# KiCad board alqaztraz.kicad_pcb
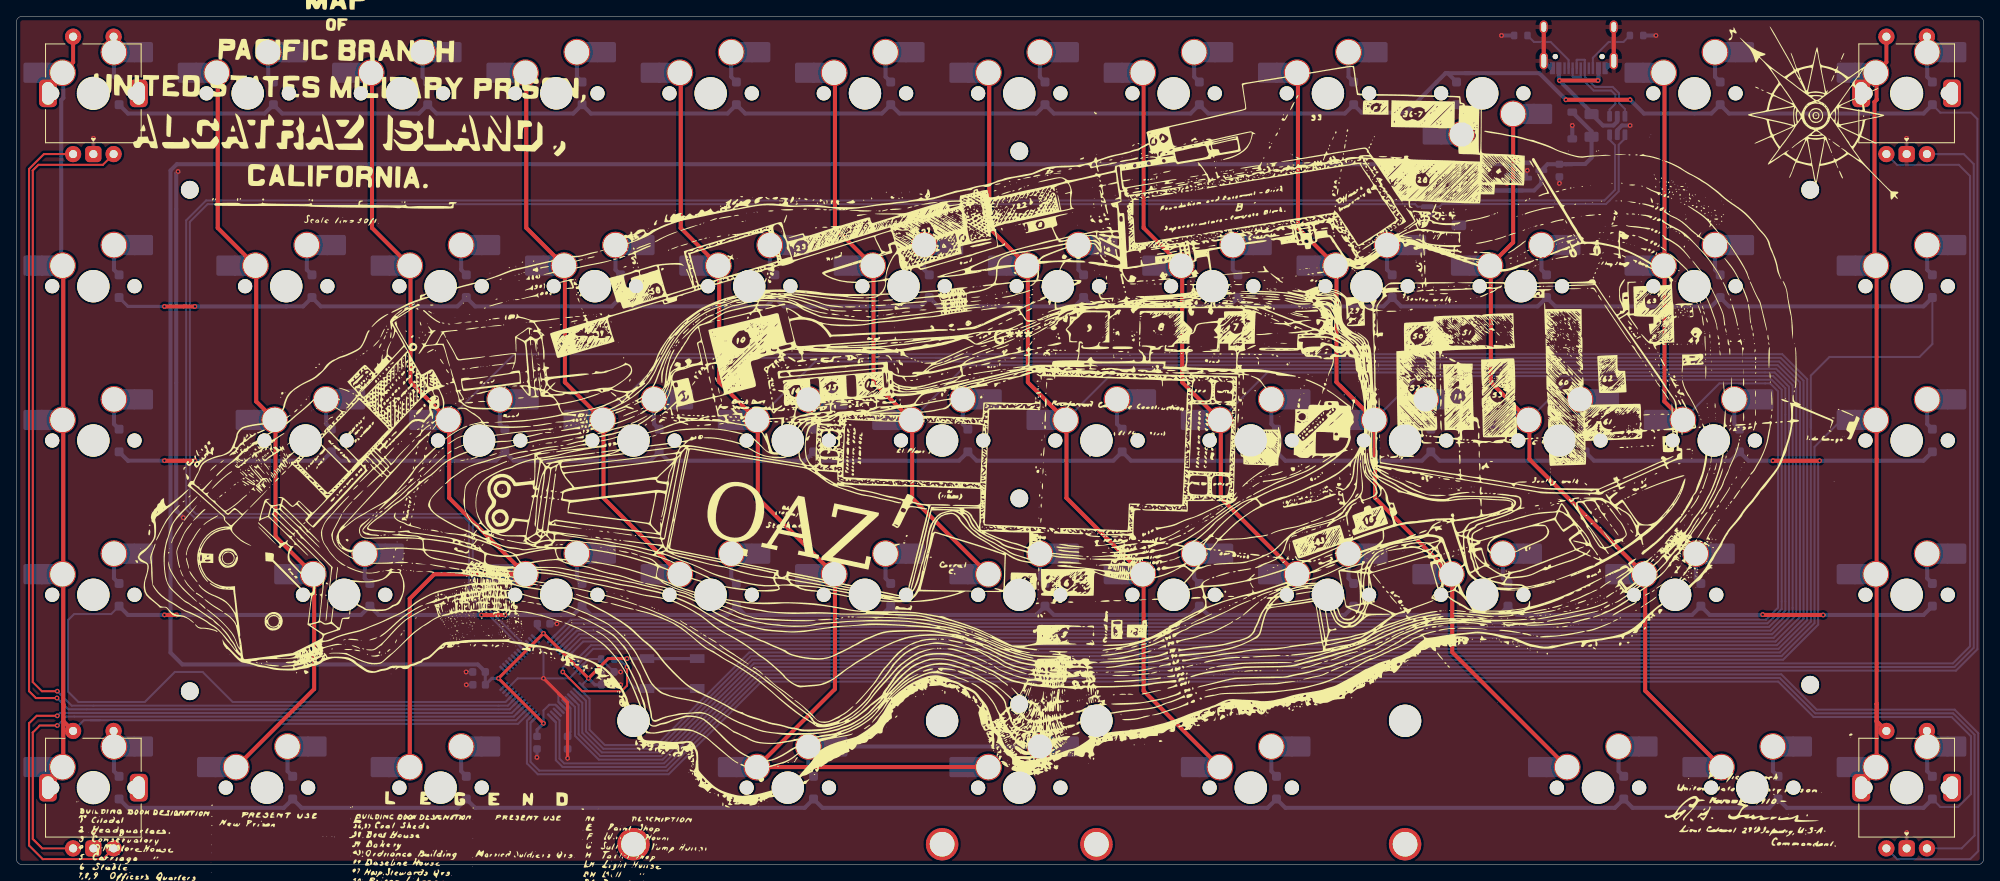
[diagram p0: board, top side]
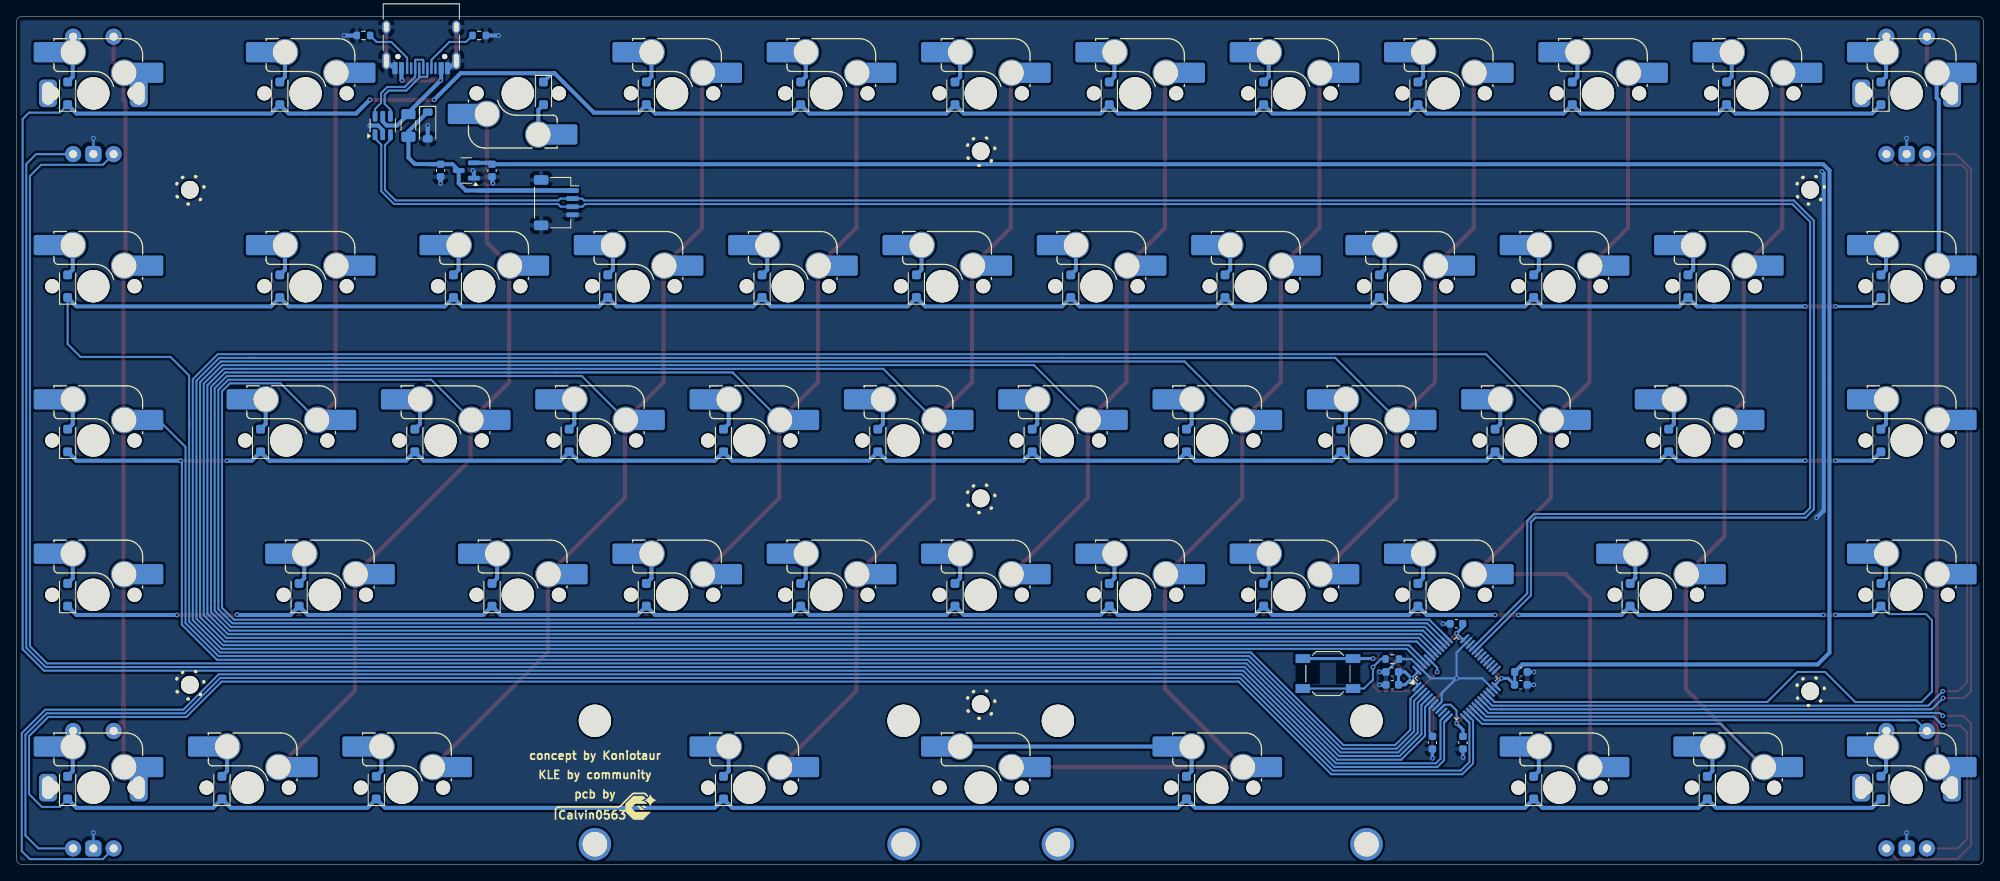
[diagram p1: board, bottom side, seen from below]

Outline 242.89 x 104.78 mm; copper layers: Top, Bottom. Coordinates in mm from the lower left corner of the outline.
Outline path: 0,103.98 arc(0.23,104.54) 0.79,104.78 242.09,104.78 arc(242.66,104.54) 242.89,103.98 242.89,0.79 arc(242.66,0.23) 242.09,0 0.79,0 arc(0.23,0.23) 0,0.79 0,103.98
Stack: Top 0.035mm / dielectric 1.51mm FR4 er 4.5 / Bottom 0.035mm

## Placement (name value [footprint] x y rotation side)
C1  100nF  [C_0603_1608Metric]  68.07 15.08 270 bottom
C2  1uF  [C_0603_1608Metric]  190.5 85.73 90 bottom
C3  1uF  [C_0603_1608Metric]  184.15 85.73 90 bottom
C11  100nF  [C_0603_1608Metric]  65.11 29.76 0 bottom
C12  100nF  [C_0603_1608Metric]  73.03 22.23 0 bottom
C13  100nF  [C_0603_1608Metric]  73.03 23.81 0 bottom
C14  100nF  [C_0603_1608Metric]  64.29 15.08 270 bottom
C15  100nF  [C_0603_1608Metric]  57.15 22.23 180 bottom
C16  10uF  [C_0603_1608Metric]  57.13 23.81 180 bottom
D1  D_Small  [D_SOD-123F]  12.7 95.25 90 bottom
D2  D_Small  [D_SOD-123F]  31.75 95.25 90 bottom
D3  D_Small  [D_SOD-123F]  50.8 95.25 90 bottom
D4  D_Small  [D_SOD-123F]  69.85 95.25 90 bottom
D5  D_Small  [D_SOD-123F]  88.9 95.25 90 bottom
D6  D_Small  [D_SOD-123F]  107.95 95.25 90 bottom
D7  D_Small  [D_SOD-123F]  127 95.25 90 bottom
D8  D_Small  [D_SOD-123F]  146.05 95.25 90 bottom
D9  D_Small  [D_SOD-123F]  165.1 95.25 90 bottom
D10  D_Small  [D_SOD-123F]  177.8 95.25 270 bottom
D11  D_Small  [D_SOD-123F]  210.34 95.25 90 bottom
D12  D_Small  [D_SOD-123F]  236.54 95.25 90 bottom
D13  D_Small  [D_SOD-123F]  12.7 71.44 90 bottom
D14  D_Small  [D_SOD-123F]  36.51 71.44 90 bottom
D15  D_Small  [D_SOD-123F]  55.56 71.44 90 bottom
D16  D_Small  [D_SOD-123F]  74.61 71.44 90 bottom
D17  D_Small  [D_SOD-123F]  93.66 71.44 90 bottom
D18  D_Small  [D_SOD-123F]  112.71 71.44 90 bottom
D19  D_Small  [D_SOD-123F]  131.76 71.44 90 bottom
D20  D_Small  [D_SOD-123F]  150.81 71.44 90 bottom
D21  D_Small  [D_SOD-123F]  169.86 71.44 90 bottom
D22  D_Small  [D_SOD-123F]  188.91 71.44 90 bottom
D23  D_Small  [D_SOD-123F]  210.34 71.44 90 bottom
D24  D_Small  [D_SOD-123F]  236.54 71.44 90 bottom
D25  D_Small  [D_SOD-123F]  12.7 52.39 90 bottom
D26  D_Small  [D_SOD-123F]  38.89 52.39 90 bottom
D27  D_Small  [D_SOD-123F]  60.33 52.39 90 bottom
D28  D_Small  [D_SOD-123F]  79.38 52.39 90 bottom
D29  D_Small  [D_SOD-123F]  98.43 52.39 90 bottom
D30  D_Small  [D_SOD-123F]  117.47 52.39 90 bottom
D31  D_Small  [D_SOD-123F]  136.53 52.39 90 bottom
D32  D_Small  [D_SOD-123F]  155.57 52.39 90 bottom
D33  D_Small  [D_SOD-123F]  174.62 52.39 90 bottom
D34  D_Small  [D_SOD-123F]  193.68 52.39 90 bottom
D35  D_Small  [D_SOD-123F]  212.72 52.39 90 bottom
D36  D_Small  [D_SOD-123F]  236.54 52.39 90 bottom
D37  D_Small  [D_SOD-123F]  12.7 33.34 90 bottom
D38  D_Small  [D_SOD-123F]  43.66 33.34 90 bottom
D39  D_Small  [D_SOD-123F]  69.85 33.34 90 bottom
D40  D_Small  [D_SOD-123F]  88.9 33.34 90 bottom
D41  D_Small  [D_SOD-123F]  107.95 33.34 90 bottom
D42  D_Small  [D_SOD-123F]  127 33.34 90 bottom
D43  D_Small  [D_SOD-123F]  146.05 33.34 90 bottom
D44  D_Small  [D_SOD-123F]  165.1 33.34 90 bottom
D45  D_Small  [D_SOD-123F]  184.15 33.34 90 bottom
D46  D_Small  [D_SOD-123F]  207.96 33.34 90 bottom
D47  D_Small  [D_SOD-123F]  236.54 33.34 90 bottom
D48  D_Small  [D_SOD-123F]  12.7 9.53 90 bottom
D49  D_Small  [D_SOD-123F]  34.13 9.53 90 bottom
D50  D_Small  [D_SOD-123F]  55.56 9.53 90 bottom
D51  D_Small  [D_SOD-123F]  98.43 9.53 90 bottom
D52  D_Small  [D_SOD-123F]  155.57 9.53 90 bottom
D53  D_Small  [D_SOD-123F]  198.44 9.53 90 bottom
D54  D_Small  [D_SOD-123F]  217.49 9.53 90 bottom
D55  D_Small  [D_SOD-123F]  236.54 9.53 90 bottom
D_PWR1  SMF9.0CA  [D_SOD-123]  192.09 91.28 270 bottom
F1  500mA  [Fuse_1206_3216Metric]  194.47 91.28 270 bottom
G***  -  [LOGO]  123.03 65.09 0 top
G***#2  -  [LOGO]  165.98 7.14 180 bottom
H1  MountingHole  [MountingHole_2.2mm_M2]  21.43 83.34 0 top
H2  MountingHole  [MountingHole_2.2mm_M2]  221.46 83.34 0 top
H3  MountingHole  [MountingHole_2.2mm_M2]  21.43 21.43 0 top
H4  MountingHole  [MountingHole_2.2mm_M2]  221.46 22.23 0 top
H5  MountingHole  [MountingHole_2.2mm_M2]  123.82 45.24 0 top
H6  MountingHole  [MountingHole_2.2mm_M2]  123.82 88.11 0 top
H7  MountingHole  [MountingHole_2.2mm_M2]  123.82 19.84 0 top
J1  USB_C_Receptacle_USB2.0  [USB_C_Receptacle_HRO_TYPE-C-31-M-12]  192.88 102.39 0 bottom
J2  JST SH  [JST_SH_SM04B-SRSS-TB_1x04-1MP_P1.00mm_Horizontal]  176.21 81.76 270 bottom
MX1  MX_SW_HS  [SW_MX_HS_CPG151101S11_1u]  9.52 95.25 180 bottom
MX2  MX_SW_HS  [SW_MX_HS_CPG151101S11_1u]  28.58 95.25 180 bottom
MX3  MX_SW_HS  [SW_MX_HS_CPG151101S11_1u]  47.62 95.25 180 bottom
MX4  MX_SW_HS  [SW_MX_HS_CPG151101S11_1u]  66.67 95.25 180 bottom
MX5  MX_SW_HS  [SW_MX_HS_CPG151101S11_1u]  85.72 95.25 180 bottom
MX6  MX_SW_HS  [SW_MX_HS_CPG151101S11_1u]  104.78 95.25 180 bottom
MX7  MX_SW_HS  [SW_MX_HS_CPG151101S11_1u]  123.82 95.25 180 bottom
MX8  MX_SW_HS  [SW_MX_HS_CPG151101S11_1u]  142.88 95.25 180 bottom
MX9  MX_SW_HS  [SW_MX_HS_CPG151101S11_1u]  161.93 95.25 180 bottom
MX10  MX_SW_HS  [SW_MX_HS_CPG151101S11_1u]  180.97 95.25 0 bottom
MX11  MX_SW_HS  [SW_MX_HS_CPG151101S11_1.75u]  207.17 95.25 180 bottom
MX12  MX_SW_HS  [SW_MX_HS_CPG151101S11_1u]  233.36 95.25 180 bottom
MX13  MX_SW_HS  [SW_MX_HS_CPG151101S11_1u]  9.52 71.44 180 bottom
MX14  MX_SW_HS  [SW_MX_HS_CPG151101S11_1u]  33.34 71.44 180 bottom
MX15  MX_SW_HS  [SW_MX_HS_CPG151101S11_1u]  52.39 71.44 180 bottom
MX16  MX_SW_HS  [SW_MX_HS_CPG151101S11_1u]  71.44 71.44 180 bottom
MX17  MX_SW_HS  [SW_MX_HS_CPG151101S11_1u]  90.49 71.44 180 bottom
MX18  MX_SW_HS  [SW_MX_HS_CPG151101S11_1u]  109.54 71.44 180 bottom
MX19  MX_SW_HS  [SW_MX_HS_CPG151101S11_1u]  128.59 71.44 180 bottom
MX20  MX_SW_HS  [SW_MX_HS_CPG151101S11_1u]  147.64 71.44 180 bottom
MX21  MX_SW_HS  [SW_MX_HS_CPG151101S11_1u]  166.69 71.44 180 bottom
MX22  MX_SW_HS  [SW_MX_HS_CPG151101S11_1u]  185.74 71.44 180 bottom
MX23  MX_SW_HS  [SW_MX_HS_CPG151101S11_1.25u]  207.17 71.44 180 bottom
MX24  MX_SW_HS  [SW_MX_HS_CPG151101S11_1u]  233.36 71.44 180 bottom
MX25  MX_SW_HS  [SW_MX_HS_CPG151101S11_1u]  9.52 52.39 180 bottom
MX26  MX_SW_HS  [SW_MX_HS_CPG151101S11_1.25u]  35.72 52.39 180 bottom
MX27  MX_SW_HS  [SW_MX_HS_CPG151101S11_1u]  57.15 52.39 180 bottom
MX28  MX_SW_HS  [SW_MX_HS_CPG151101S11_1u]  76.2 52.39 180 bottom
MX29  MX_SW_HS  [SW_MX_HS_CPG151101S11_1u]  95.25 52.39 180 bottom
MX30  MX_SW_HS  [SW_MX_HS_CPG151101S11_1u]  114.3 52.39 180 bottom
MX31  MX_SW_HS  [SW_MX_HS_CPG151101S11_1u]  133.35 52.39 180 bottom
MX32  MX_SW_HS  [SW_MX_HS_CPG151101S11_1u]  152.4 52.39 180 bottom
MX33  MX_SW_HS  [SW_MX_HS_CPG151101S11_1u]  171.45 52.39 180 bottom
MX34  MX_SW_HS  [SW_MX_HS_CPG151101S11_1u]  190.5 52.39 180 bottom
MX35  MX_SW_HS  [SW_MX_HS_CPG151101S11_1u]  209.55 52.39 180 bottom
MX36  MX_SW_HS  [SW_MX_HS_CPG151101S11_1u]  233.36 52.39 180 bottom
MX37  MX_SW_HS  [SW_MX_HS_CPG151101S11_1u]  9.52 33.34 180 bottom
MX38  MX_SW_HS  [SW_MX_HS_CPG151101S11_1.75u]  40.48 33.34 180 bottom
MX39  MX_SW_HS  [SW_MX_HS_CPG151101S11_1u]  66.67 33.34 180 bottom
MX40  MX_SW_HS  [SW_MX_HS_CPG151101S11_1u]  85.72 33.34 180 bottom
MX41  MX_SW_HS  [SW_MX_HS_CPG151101S11_1u]  104.78 33.34 180 bottom
MX42  MX_SW_HS  [SW_MX_HS_CPG151101S11_1u]  123.82 33.34 180 bottom
MX43  MX_SW_HS  [SW_MX_HS_CPG151101S11_1u]  142.88 33.34 180 bottom
MX44  MX_SW_HS  [SW_MX_HS_CPG151101S11_1u]  161.93 33.34 180 bottom
MX45  MX_SW_HS  [SW_MX_HS_CPG151101S11_1u]  180.97 33.34 180 bottom
MX46  MX_SW_HS  [SW_MX_HS_CPG151101S11_1.5u]  204.79 33.34 180 bottom
MX47  MX_SW_HS  [SW_MX_HS_CPG151101S11_1u]  233.36 33.34 180 bottom
MX48  MX_SW_HS  [SW_MX_HS_CPG151101S11_1u]  9.52 9.53 180 bottom
MX49  MX_SW_HS  [SW_MX_HS_CPG151101S11_1.25u]  30.96 9.53 180 bottom
MX50  MX_SW_HS  [SW_MX_HS_CPG151101S11_1u]  52.39 9.53 180 bottom
MX51  MX_SW_HS  [SW_MX_HS_CPG151101S11_1u]  95.25 9.53 180 bottom
MX52  MX_SW_HS  [SW_MX_HS_CPG151101S11_1u]  152.4 9.53 180 bottom
MX53  MX_SW_HS  [SW_MX_HS_CPG151101S11_1u]  195.26 9.53 180 bottom
MX54  MX_SW_HS  [SW_MX_HS_CPG151101S11_1u]  214.31 9.53 180 bottom
MX55  MX_SW_HS  [SW_MX_HS_CPG151101S11_1u]  233.36 9.53 180 bottom
MX56  MX_SW_HS  [SW_MX_HS_CPG151101S11_1u]  123.82 9.53 180 bottom
R1  5k1  [R_0603_1608Metric]  185.74 102.39 180 bottom
R2  5k1  [R_0603_1608Metric]  200.03 102.39 0 bottom
R3  10k  [R_0603_1608Metric]  73.03 25.4 180 bottom
S1  MX_stab  [STAB_MX_P_3u]  95.25 9.53 180 top
S2  MX_stab  [STAB_MX_P_3u]  152.4 9.53 180 top
SW1  RotaryEncoder_Switch  [ROT_Alps_EC11E-Switch]  9.52 95.25 0 top
SW2  RotaryEncoder_Switch  [ROT_Alps_EC11E-Switch]  233.36 95.25 0 top
SW3  RotaryEncoder_Switch  [ROT_Alps_EC11E-Switch]  233.36 9.53 0 top
SW4  RotaryEncoder_Switch  [ROT_Alps_EC11E-Switch]  9.52 9.53 0 top
SW5  SKQGABE010  [SW_SPST_SKQG_WithoutStem]  80.96 23.61 180 bottom
U1  STM32F072C8Tx  [LQFP-48_7x7mm_P0.5mm]  65.09 23.02 135 bottom
U2  USBLC6-2SC6  [SOT-23-6]  197.64 91.28 90 bottom
U3  XC6206PxxxMR-Regulator_Linear  [SOT-23]  187.32 85.73 0 bottom

## Library data of the parts
C1 = -: LCSC: C307331; ki_fp_filters: C_*
C2 C3 = -: LCSC: C52923; ki_fp_filters: C_*
C11-C16 = -: ki_fp_filters: C_*
D1-D55 = -: Description: Diode, small symbol; Sim.Device: D; Sim.Pins: 1=K 2=A; ki_fp_filters: TO-???* *_Diode_* *SingleDiode* D_*
D_PWR1 = -: ki_fp_filters: TO-???* *_Diode_* *SingleDiode* D_*
F1 = -: LCSC: C70076; ki_fp_filters: *polyfuse* *PTC*
H1-H7 = -: Description: Mounting Hole without connection; ki_fp_filters: MountingHole*
J1 = -: Datasheet: https://www.usb.org/sites/default/files/documents/usb_type-c.zip; LCSC: C165948; ki_fp_filters: USB*C*Receptacle*
J2 = -: ki_fp_filters: Connector*:*_1x??-1MP*
MX1-MX56 = -: Description: Push button switch, normally open, two pins, 45° tilted, Kailh CPG151101S11 for Cherry MX style switches
R1 R2 = -: LCSC: C25905; ki_fp_filters: R_*
R3 = -: ki_fp_filters: R_*
S1 S2 = -: Description: Cherry MX-style stabilizer
SW1-SW4 = -: Description: Rotary encoder, dual channel, incremental quadrate outputs, with switch; ki_fp_filters: RotaryEncoder*Switch*
SW5 = -: LCSC: C115351
U1 = -: Datasheet: https://www.st.com/resource/en/datasheet/stm32f072c8.pdf; ki_fp_filters: LQFP*7x7mm*P0.5mm*
U2 = -: Datasheet: https://www.st.com/resource/en/datasheet/usblc6-2.pdf; LCSC: C2827654; ki_fp_filters: SOT?23*
U3 = -: Datasheet: https://www.torexsemi.com/file/xc6206/XC6206.pdf; LCSC: C5446; ki_fp_filters: SOT?23*

## Footprints (pads in the part's own frame, mm; a bottom-side part is the same pattern mirrored in y, then rotated)
C_0603_1608Metric
  rrect 0.9x0.95 smd: 1(-0.775,0) 2(0.775,0)
D_SOD-123
  rrect 0.9x1.2 smd: 1(-1.65,0) 2(1.65,0)
D_SOD-123F
  rrect 1.1x1.1 smd: 1(-1.4,0) 2(1.4,0)
Fuse_1206_3216Metric
  rrect 1.25x1.75 smd: 1(-1.4,0) 2(1.4,0)
JST_SH_SM04B-SRSS-TB_1x04-1MP_P1.00mm_Horizontal
  rrect 0.6x1.55 smd: 1(-1.5,2) 2(-0.5,2) 3(0.5,2) 4(1.5,2)
  rrect 1.2x1.8 smd: MP(-2.8,-1.875) MP(2.8,-1.875)
LQFP-48_7x7mm_P0.5mm
  rrect 1.475x0.3 smd: 1(-4.162,2.75) 2(-4.162,2.25) 3(-4.162,1.75) 4(-4.162,1.25) 5(-4.162,0.75) 6(-4.162,0.25) 7(-4.162,-0.25) 8(-4.162,-0.75) 9(-4.162,-1.25) 10(-4.162,-1.75) 11(-4.162,-2.25) 12(-4.162,-2.75) 25(4.162,-2.75) 26(4.162,-2.25) 27(4.162,-1.75) 28(4.162,-1.25) 29(4.162,-0.75) 30(4.162,-0.25) 31(4.162,0.25) 32(4.162,0.75) 33(4.162,1.25) 34(4.162,1.75) 35(4.162,2.25) 36(4.162,2.75)
  rrect 0.3x1.475 smd: 13(-2.75,-4.162) 14(-2.25,-4.162) 15(-1.75,-4.162) 16(-1.25,-4.162) 17(-0.75,-4.162) 18(-0.25,-4.162) 19(0.25,-4.162) 20(0.75,-4.162) 21(1.25,-4.162) 22(1.75,-4.162) 23(2.25,-4.162) 24(2.75,-4.162) 37(2.75,4.162) 38(2.25,4.162) 39(1.75,4.162) 40(1.25,4.162) 41(0.75,4.162) 42(0.25,4.162) 43(-0.25,4.162) 44(-0.75,4.162) 45(-1.25,4.162) 46(-1.75,4.162) 47(-2.25,4.162) 48(-2.75,4.162)
MountingHole_2.2mm_M2
  round 2.2 hole 2.2 unplated: (0,0)
R_0603_1608Metric
  rrect 0.8x0.95 smd: 1(-0.825,0) 2(0.825,0)
ROT_Alps_EC11E-Switch
  round 2 hole 1: A(-2.5,-7.5) B(2.5,-7.5) S1(2.5,7) S2(-2.5,7)
  rrect 2x2 hole 1: C(0,-7.5)
  rrect 2.2x3.4 hole 1.5x2.8: MP(-5.6,0) MP(5.6,0)
SOT-23
  rrect 1.475x0.6 smd: 1(-0.938,0.95) 2(-0.938,-0.95) 3(0.938,0)
SOT-23-6
  rrect 1.325x0.6 smd: 1(-1.137,0.95) 2(-1.137,0) 3(-1.137,-0.95) 4(1.137,-0.95) 5(1.137,0) 6(1.137,0.95)
STAB_MX_P_3u
  round 4 hole 3.048: (-19.05,6.985) (19.05,6.985)
  round 3.988 hole 3.988 unplated: (-19.05,-8.255) (19.05,-8.255)
SW_MX_HS_CPG151101S11_1.5u
  round 1.75 hole 1.75 unplated: (-5.08,0) (5.08,0)
  round 3.988 hole 3.988 unplated: (0,0)
  round 3.3 hole 3: 1(3.81,2.54) 2(-2.54,5.08)
  rect 1.65x2.5 smd: 1(5.635,2.54) 2(-4.34,5.08)
  rrect 2.55x2.5 smd: 1(7.36,2.54) 2(-6.09,5.08)
SW_MX_HS_CPG151101S11_1.25u
  round 1.75 hole 1.75 unplated: (-5.08,0) (5.08,0)
  round 3.988 hole 3.988 unplated: (0,0)
  round 3.3 hole 3: 1(3.81,2.54) 2(-2.54,5.08)
  rect 1.65x2.5 smd: 1(5.635,2.54) 2(-4.34,5.08)
  rrect 2.55x2.5 smd: 1(7.36,2.54) 2(-6.09,5.08)
SW_MX_HS_CPG151101S11_1.75u
  round 1.75 hole 1.75 unplated: (-5.08,0) (5.08,0)
  round 3.988 hole 3.988 unplated: (0,0)
  round 3.3 hole 3: 1(3.81,2.54) 2(-2.54,5.08)
  rect 1.65x2.5 smd: 1(5.635,2.54) 2(-4.34,5.08)
  rrect 2.55x2.5 smd: 1(7.36,2.54) 2(-6.09,5.08)
SW_MX_HS_CPG151101S11_1u
  round 1.75 hole 1.75 unplated: (-5.08,0) (5.08,0)
  round 3.988 hole 3.988 unplated: (0,0)
  round 3.3 hole 3: 1(3.81,2.54) 2(-2.54,5.08)
  rect 1.65x2.5 smd: 1(5.635,2.54) 2(-4.34,5.08)
  rrect 2.55x2.5 smd: 1(7.36,2.54) 2(-6.09,5.08)
SW_SPST_SKQG_WithoutStem
  rect 1.8x1.1 smd: 1(-3.1,1.85) 1(3.1,1.85) 2(-3.1,-1.85) 2(3.1,-1.85)
USB_C_Receptacle_HRO_TYPE-C-31-M-12
  round 0.65 hole 0.65 unplated: (-2.89,2.6) (2.89,2.6)
  rect 0.6x1.45 smd: A1(-3.25,4.045) A4(-2.45,4.045) A9(2.45,4.045) A12(3.25,4.045) B1(3.25,4.045) B4(2.45,4.045) B9(-2.45,4.045) B12(-3.25,4.045)
  rect 0.3x1.45 smd: A5(-1.25,4.045) A6(-0.25,4.045) A7(0.25,4.045) A8(1.25,4.045) B5(1.75,4.045) B6(0.75,4.045) B7(-0.75,4.045) B8(-1.75,4.045)
  oval 1x1.6 hole 0.6x1.2: S1(-4.32,-1.05) S1(4.32,-1.05)
  oval 1x2.1 hole 0.6x1.7: S1(-4.32,3.13) S1(4.32,3.13)

## Nets
+3V3: C3.2 C11.1 C12.1 C13.1 C14.1 C15.1 C16.1 SW5.1 U1.1 U1.9 U1.24 U1.36 U1.48 U3.2
+5V: C2.2 D_PWR1.1 F1.2 J2.1 U3.3
GND: C1.2 C2.1 C3.1 C11.2 C12.2 C13.2 C14.2 C15.2 C16.2 D_PWR1.2 J1.A1 J1.A12 J1.B1 J1.B12 J1.S1 J2.4 J2.MP R1.2 R2.2 R3.2 SW1.C SW2.C SW3.C SW4.C U1.8 U1.23 U1.35 U1.47 U2.2 U3.1
VBUS: F1.1 J1.A4 J1.A9 J1.B4 J1.B9 U2.5
/CC1: J1.A5 R1.1
/CC2: J1.B5 R2.1
BOOT0: R3.1 SW5.2 U1.44
COL0: MX1.1 MX13.1 MX25.1 MX37.1 MX48.1 SW1.S2 SW4.S2 U1.16
COL1: MX2.1 MX14.1 MX26.1 MX38.1 MX49.1 U1.15
COL2: MX3.1 MX15.1 MX27.1 MX39.1 MX50.1 U1.46
COL3: MX4.1 MX16.1 MX28.1 MX40.1 U1.45
COL4: MX5.1 MX17.1 MX29.1 MX41.1 MX51.1 MX56.1 U1.43
COL5: MX6.1 MX18.1 MX30.1 MX42.1 U1.42
COL6: MX7.1 MX19.1 MX31.1 MX43.1 MX52.1 U1.41
COL7: MX8.1 MX20.1 MX32.1 MX44.1 U1.40
COL8: MX9.1 MX21.1 MX33.1 MX45.1 MX53.1 U1.39
COL9: MX10.1 MX22.1 MX34.1 MX46.1 MX54.1 U1.38
COL10: MX11.1 MX23.1 MX35.1 U1.37
COL11: MX12.1 MX24.1 MX36.1 MX47.1 MX55.1 SW2.S2 SW3.S2 U1.3
D_N: J2.2 U1.32 U2.3
D_P: J2.3 U1.33 U2.1
D_USB_N: J1.A7 J1.B7 U2.4
D_USB_P: J1.A6 J1.B6 U2.6
NRST: C1.1 U1.7
rA: SW1.A U1.19
rB: SW1.B U1.20
rC: SW2.A U1.5
rD: SW2.B U1.6
rE: SW4.A U1.17
rF: SW4.B U1.18
rG: SW3.A U1.12
rH: SW3.B U1.13
ROW0: D1.1 D2.1 D3.1 D4.1 D5.1 D6.1 D7.1 D8.1 D9.1 D10.1 D11.1 D12.1 U1.11
row1: D1.2 MX1.2 SW1.S1
ROW1: D13.1 D14.1 D15.1 D16.1 D17.1 D18.1 D19.1 D20.1 D21.1 D22.1 D23.1 D24.1 U1.2
row2: D12.2 MX12.2 SW2.S1
ROW2: D25.1 D26.1 D27.1 D28.1 D29.1 D30.1 D31.1 D32.1 D33.1 D34.1 D35.1 D36.1 U1.4
row3: D48.2 MX48.2 SW4.S1
ROW3: D37.1 D38.1 D39.1 D40.1 D41.1 D42.1 D43.1 D44.1 D45.1 D46.1 D47.1 U1.21
row4: D55.2 MX55.2 SW3.S1
ROW4: D48.1 D49.1 D50.1 D51.1 D52.1 D53.1 D54.1 D55.1 U1.14
Net-(D2-A): D2.2 MX2.2
Net-(D3-A): D3.2 MX3.2
Net-(D4-A): D4.2 MX4.2
Net-(D5-A): D5.2 MX5.2
Net-(D6-A): D6.2 MX6.2
Net-(D7-A): D7.2 MX7.2
Net-(D8-A): D8.2 MX8.2
Net-(D9-A): D9.2 MX9.2
Net-(D10-A): D10.2 MX10.2
Net-(D11-A): D11.2 MX11.2
Net-(D13-A): D13.2 MX13.2
Net-(D14-A): D14.2 MX14.2
Net-(D15-A): D15.2 MX15.2
Net-(D16-A): D16.2 MX16.2
Net-(D17-A): D17.2 MX17.2
Net-(D18-A): D18.2 MX18.2
Net-(D19-A): D19.2 MX19.2
Net-(D20-A): D20.2 MX20.2
Net-(D21-A): D21.2 MX21.2
Net-(D22-A): D22.2 MX22.2
Net-(D23-A): D23.2 MX23.2
Net-(D24-A): D24.2 MX24.2
Net-(D25-A): D25.2 MX25.2
Net-(D26-A): D26.2 MX26.2
Net-(D27-A): D27.2 MX27.2
Net-(D28-A): D28.2 MX28.2
Net-(D29-A): D29.2 MX29.2
Net-(D30-A): D30.2 MX30.2
Net-(D31-A): D31.2 MX31.2
Net-(D32-A): D32.2 MX32.2
Net-(D33-A): D33.2 MX33.2
Net-(D34-A): D34.2 MX34.2
Net-(D35-A): D35.2 MX35.2
Net-(D36-A): D36.2 MX36.2
Net-(D37-A): D37.2 MX37.2
Net-(D38-A): D38.2 MX38.2
Net-(D39-A): D39.2 MX39.2
Net-(D40-A): D40.2 MX40.2
Net-(D41-A): D41.2 MX41.2
Net-(D42-A): D42.2 MX42.2
Net-(D43-A): D43.2 MX43.2
Net-(D44-A): D44.2 MX44.2
Net-(D45-A): D45.2 MX45.2
Net-(D46-A): D46.2 MX46.2
Net-(D47-A): D47.2 MX47.2
Net-(D49-A): D49.2 MX49.2
Net-(D50-A): D50.2 MX50.2
Net-(D51-A): D51.2 MX51.2 MX56.2
Net-(D52-A): D52.2 MX52.2
Net-(D53-A): D53.2 MX53.2
Net-(D54-A): D54.2 MX54.2

Pads without a net: J1 A8 B8; SW1 MP; SW2 MP; SW3 MP; SW4 MP; U1 10 22 25 26 27 28 29 30 31 34

## Via types
v1: diameter 0.6, hole 0.3, Top to Bottom, 48 vias

## Routing (per net, layer and track width the routed paths; a pad name or vN(x,y) marks a point on that pad's centre or on a via; arc(x,y) is an arc through that point)
+3V3: length 326.8
  Top w0.381: v1(75.4,25.46) 73.08,25.46 v1(70.64,23.02) v1(65.09,28.58) v1(59.53,23.02) v1(65.09,17.46)
  Bottom w0.25: v1(59.53,23.02) 60.2,22.35 U1.24 ; v1(65.09,28.58) 64.42,27.91 U1.36 ; U1.1 69.98,22.35 v1(70.64,23.02) 69.98,23.69 U1.48 ; v1(65.09,17.46) 65.09,19.05 65.8,19.76 66.58,19.76 U1.9
  Bottom w0.381: SW5.1 SW5.1 75.41,25.46 v1(75.4,25.46) ; C11.1 64.33,29.33 v1(65.09,28.58) ; C16.1 57.91,22.24 C15.1 58.72,23.02 v1(59.53,23.02) ; v1(65.09,17.46) 64.29,16.67 C14.1 ; C13.1 71.44,23.81 v1(70.64,23.02) 71.44,22.23 C12.1 C13.1
  Bottom w0.5: U3.2 184.32,86.68 C3.2 19.83,86.5 19.05,85.73 19.05,26.19 20.51,24.74 56.98,24.74 C16.1
+5V: length 41.9
  Bottom w0.5: 192.07,86.5 191.29,86.5 ; 191.29,86.5 191.31,86.52 193.68,86.52 194.47,87.31 F1.2 194.47,90.55 D_PWR1.1 ; 191.29,86.5 C2.2 189.04,86.5 U3.3 188.26,84.14 187.38,83.26 J2.1 185.88,83.26
GND: length 114.5
  Top w0.381: v1(65.09,23.02) 68.06,20.05 v1(68.06,13.15)
  Top w0.5: J1.S1 J1.S1 ; J1.S1 J1.S1
  Bottom w0.25: SW4.C v1(9.52,3.97) ; v1(65.09,23.02) 68.27,23.02 U1.47 70.65,25.4 R3.2 72.21,25.4 C13.2 ; v1(65.09,23.02) 65.09,26.2 U1.35 ; v1(65.09,23.02) 61.91,23.02 U1.23 ; v1(65.09,23.02) 66.93,21.18 66.93,20.11 U1.8 ; SW3.C v1(233.36,3.97) ; SW2.C v1(233.36,89.69) ; SW1.C v1(9.52,89.69)
  Bottom w0.381: C15.2 v1(55.56,22.23) ; v1(68.06,13.15) 68.07,13.17 C1.2 ; v1(66.74,29.76) 66.74,29.76 C11.2 ; C12.2 v1(74.61,22.23) ; v1(64.28,13.26) 64.29,13.28 C14.2 ; C13.2 v1(74.61,23.81) ; C16.2 v1(55.54,23.81)
  Bottom w0.5: v1(19.98,85.59) 19.75,85.36 19.75,43.66 19.84,43.66 v1(20.64,42.86) ; J1.S1 189.48,98.35 J1.A1 ; C2.1 v1(190.5,84.14) ; C3.1 184.15,84.25 v1(184.03,84.14) ; U2.2 197.64,90.71 198.22,91.28 v1(199.23,91.28) ; R2.2 v1(202.41,102.39) ; D_PWR1.2 v1(192.09,91.28) ; R1.2 v1(183.36,102.39) ; J1.A12 196.29,98.35 J1.S1 ; v1(186.53,85.73) 186.39,85.58 U3.1
VBUS: length 18.3
  Top w0.5: v1(190.5,96.84) v1(195.26,96.84)
  Bottom w0.5: v1(195.26,96.84) 195.33,96.91 J1.A9 ; U2.5 197.64,91.76 197.17,91.28 195.87,91.28 F1.1 194.47,92.87 v1(190.5,96.84) 190.43,96.91 J1.A4
/CC1: length 7.3
  Bottom w0.25: R1.1 187.36,101.6 189.41,101.6 191.63,99.37 J1.A5
/CC2: length 7
  Bottom w0.25: J1.B5 194.63,99.64 196.59,101.6 198.41,101.6 R2.1
BOOT0: length 26.2
  Top w0.25: v1(67.47,23.81) 69.85,21.43 74.7,21.43 75.41,22.13 v1(75.41,24.41)
  Bottom w0.25: U1.44 67.47,24.34 v1(67.47,23.81) ; SW5.2 SW5.2 76.51,21.76 75.41,22.86 v1(75.41,24.41) 74.41,25.4 R3.1
COL0: length 155.5
  Top w0.5: 5.82,19.84 5.82,17.73 SW4.S2 ; 5.82,19.84 5.82,35.77 MX37.1 ; 5.82,19.84 5.82,12.17 MX48.1 ; 5.82,35.98 5.82,54.82 MX25.1 5.82,55.03 5.82,73.87 MX13.1 ; SW1.S2 7.02,99.1 MX1.1
  Bottom w0.25: 10.32,17.85 9.17,17.85 ; 10.32,17.85 61.69,17.85 U1.16 ; 10.32,17.85 8.35,17.85 SW4.S2 ; 5.72,14.4 MX48.1
  Bottom w0.5: MX1.1 5.82,97.69 5.82,94.68 5.56,94.42 5.56,74.14 MX13.1
COL1: length 133.7
  Top w0.5: MX49.1 36.78,21.7 36.78,35.77 MX38.1 32.01,40.54 32.01,54.82 MX26.1 29.63,57.2 29.63,73.87 MX14.1 24.87,78.64 24.87,97.69 MX2.1
  Bottom w0.25: MX49.1 32.48,17.4 61.94,17.4 U1.15
COL2: length 462.4
  Top w0.5: MX3.1 43.92,97.69 43.92,78.64 MX15.1 48.68,73.87 48.68,59.59 MX27.1 53.44,54.82 53.44,45.3 MX39.1 51.59,35.88 48.58,32.86 MX50.1
  Bottom w0.25: MX27.1 61.45,63.04 218,63.04 221.09,59.96 221.09,30.21 217.55,26.67 71.21,26.67 U1.46
COL3: length 407.2
  Top w0.5: MX4.1 62.97,97.69 62.97,78.64 MX16.1 67.73,73.87 67.73,59.59 MX28.1 72.5,54.82 72.5,45.3 MX40.1
  Bottom w0.25: 213.52,62.59 214.31,62.59 ; 213.52,62.59 217.81,62.59 220.64,59.77 220.64,30.4 217.36,27.12 70.96,27.12 U1.45 ; 213.52,62.59 113.51,62.59 ; MX28.1 80.06,62.59 113.51,62.59 ; 113.51,62.59 114.19,62.59
COL4: length 442
  Top w0.5: MX56.1 MX51.1 101.07,21.7 101.07,34.98 100.97,35.08 MX41.1 91.55,45.3 91.55,54.82 MX29.1 86.78,59.59 86.78,73.87 MX17.1 82.02,78.64 82.02,97.69 MX5.1
  Bottom w0.25: MX29.1 98.66,62.14 217.63,62.14 220.19,59.58 220.19,30.58 217.17,27.57 69.99,27.57 U1.43
COL5: length 365.2
  Top w0.5: MX42.1 110.59,45.3 110.59,54.82 MX30.1 105.83,59.59 105.83,73.87 MX18.1 101.07,78.64 101.07,97.69 MX6.1
  Bottom w0.25: MX30.1 117.25,61.69 217.44,61.69 219.74,59.4 219.74,30.82 216.94,28.02 69.73,28.02 U1.42
COL6: length 372.6
  Top w0.5: MX52.1 139.17,21.48 139.17,35.77 MX43.1 129.65,45.3 129.65,54.82 MX31.1 124.88,59.59 124.88,73.87 MX19.1 120.12,78.64 120.12,97.69 MX7.1
  Bottom w0.25: U1.41 69.48,28.47 216.75,28.47 219.29,31 219.29,59.21 217.26,61.24 135.85,61.24 MX31.1
COL7: length 324.5
  Top w0.5: MX8.1 139.17,97.69 139.17,78.64 MX20.1 143.93,73.87 143.93,59.59 MX32.1 148.69,54.82 148.69,45.3 MX44.1
  Bottom w0.25: U1.40 69.22,28.92 216.57,28.92 218.84,31.19 218.84,59.02 217.07,60.79 154.46,60.79 MX32.1
COL8: length 333.9
  Top w0.5: MX53.1 177.27,26.25 177.27,35.77 MX45.1 167.75,45.3 167.75,54.82 MX33.1 162.98,59.59 162.98,73.87 MX21.1 158.22,78.64 158.22,97.69 MX9.1
  Bottom w0.25: MX33.1 173.06,60.34 216.88,60.34 218.39,58.84 218.39,31.38 216.38,29.37 68.96,29.37 U1.39
COL9: length 307.7
  Top w0.5: MX10.1 184.78,76.84 MX22.1 182.03,73.87 182.03,59.59 MX34.1 186.79,54.82 186.79,50.06 MX46.1 201.08,35.77 201.08,21.48 MX54.1
  Bottom w0.25: MX34.1 191.66,59.89 216.7,59.89 217.94,58.65 217.94,31.56 216.19,29.82 68.71,29.82 U1.38
COL10: length 237.7
  Top w0.5: MX35.1 203.46,57.2 203.46,73.87 MX23.1 203.46,74.08 203.46,97.69 MX11.1
  Bottom w0.25: U1.37 68.45,30.27 216.01,30.27 217.49,31.75 217.49,58.47 216.51,59.44 210.25,59.44 MX35.1
COL11: length 290
  Top w0.5: MX55.1 229.66,12.17 229.66,19.84 ; 229.66,19.84 229.66,35.77 MX47.1 229.66,35.98 229.66,54.82 MX36.1 229.66,55.03 229.66,73.87 MX24.1 229.39,74.14 229.39,94.19 229.66,94.46 229.66,97.69 MX12.1 230.86,99.1 SW2.S2 ; 229.66,19.84 229.66,17.73 SW3.S2
  Bottom w0.25: MX36.1 225.32,54.93 221.99,51.59 221.99,29.84 217.92,25.77 90.67,25.77 79.23,14.33 72.48,14.33 70.33,16.48 70.33,20.25 U1.3
D_N: length 275.1
  Bottom w0.25: U1.32 55.91,33.26 55.91,42.29 55.33,42.86 21.99,42.86 20.98,43.88 20.98,79.56 23.44,82.02 172.78,82.02 173.01,82.26 J2.2 175.73,82.26 175.95,82.03 196.06,82.03 196.06,82.03 197.37,83.34 197.37,88.84 196.69,89.52 U2.3
D_P: length 274.8
  Bottom w0.25: U2.1 198.59,89.68 197.82,88.9 197.82,83.15 196.24,81.58 176.01,81.58 175.68,81.26 J2.3 172.99,81.26 172.68,81.57 23.63,81.57 21.43,79.38 21.43,44.06 22.18,43.31 55.52,43.31 56.36,42.47 56.36,33.52 U1.33
D_USB_N: length 11.3
  Bottom w0.25: 193.11,97.3 193.13,97.32 J1.A7 ; 193.11,97.3 192.16,97.3 192.13,97.32 J1.B7 ; 193.11,97.3 193.11,97.21 194.72,95.59 196.89,95.59 197.4,95.08 197.4,93.95 196.69,93.24 U2.4
D_USB_P: length 12.3
  Bottom w0.25: U2.6 198.59,93.31 197.85,94.05 197.85,95.27 197.08,96.04 194.91,96.04 193.63,97.32 J1.B6 193.63,99.37 193.61,99.4 192.66,99.4 192.63,99.37 J1.A6
NRST: length 4.5
  Bottom w0.25: 67.87,15.86 68.42,16.41 68.42,19.33 U1.7
rA: length 132.4
  Top w0.25: v1(5.03,20.59) 2.43,20.59 1.59,21.43 1.59,85.91 3.43,87.75 SW1.A
  Bottom w0.25: v1(5.03,20.59) 6.42,19.2 60.92,19.2 U1.19
rB: length 135.2
  Top w0.25: SW1.B 10.7,86.43 2.74,86.43 2.04,85.73 2.04,22.57 3.17,21.43 v1(5.07,21.43)
  Bottom w0.25: v1(5.07,21.43) 6.85,19.65 60.69,19.65 61.61,20.57 U1.20
rC: length 252.9
  Bottom w0.25: U1.5 69.43,19.74 69.43,16.11 72.11,13.43 79.61,13.43 91.05,24.87 239.07,24.87 241.19,26.99 241.19,85.04 239.81,86.43 232.19,86.43 SW2.A
rD: length 254.6
  Bottom w0.25: U1.6 68.98,19.48 68.98,15.92 71.92,12.98 79.79,12.98 91.23,24.42 239.26,24.42 241.64,26.8 241.64,86.52 240.41,87.75 SW2.B 240.24,87.75
rE: length 81
  Top w0.25: SW4.A 3.2,2.03 2.04,3.19 2.04,16.33 2.91,17.2 v1(5.07,17.2)
  Bottom w0.25: U1.17 62.05,18.92 ; 62.05,18.92 61.73,18.6 ; 62.05,18.92 61.43,18.3 6.17,18.3 v1(5.07,17.2)
rF: length 88.5
  Top w0.25: SW4.B 10.7,0.7 3.27,0.7 1.59,2.38 1.59,17.46 2.53,18.4 v1(5.07,18.4)
  Bottom w0.25: v1(5.07,18.4) 5.42,18.75 61.17,18.75 U1.18
rG: length 216
  Bottom w0.25: U1.12 66.62,17.6 66.62,12.91 67.45,12.08 80.17,12.08 91.61,23.52 217.89,23.52 222.25,19.16 239.29,19.16 242.2,16.25 242.2,1.69 241.21,0.7 232.19,0.7 SW3.A
rH: length 211
  Bottom w0.25: U1.13 63.49,17.54 63.49,12.71 64.57,11.63 80.35,11.63 91.79,23.07 217.7,23.07 222.06,18.71 239.11,18.71 241.75,16.06 241.75,3.62 240.15,2.03 SW3.B
ROW0: length 497.7
  Top w0.5: v1(199.23,94.46) v1(191.29,94.46)
  Bottom w0.25: D12.1 237.52,92.87 241.3,92.87 242.09,92.08 242.09,26.61 239.45,23.97 91.42,23.97 79.98,12.53 67.64,12.53 67.07,13.1 67.07,17.86 U1.11
  Bottom w0.5: 176.44,97.74 171.57,92.87 166.08,92.87 D9.1 164.01,92.76 147.14,92.76 D8.1 144.96,92.76 128.09,92.76 D7.1 125.91,92.76 109.04,92.76 D6.1 106.86,92.76 89.99,92.76 D5.1 87.81,92.76 70.94,92.76 D4.1 68.76,92.76 51.89,92.76 D3.1 49.71,92.76 32.84,92.76 D2.1 30.66,92.76 13.79,92.76 D1.1 ; 176.44,97.74 176.71,97.74 D10.1 ; 176.44,97.74 179.39,97.74 ; v1(191.29,94.46) 188.01,97.74 179.39,97.74 ; v1(199.23,94.46) 200.93,92.76 209.25,92.76 D11.1 211.44,92.76 235.44,92.76 D12.1 ; 179.39,97.74 178.89,97.74
row1: length 3.9
  Bottom w0.5: MX1.2 12.06,97.29 D1.2
ROW1: length 450.9
  Top w0.5: v1(22.06,68.94) v1(18.3,68.94)
  Bottom w0.25: 221.54,53.98 221.54,30.02 217.73,26.22 90.49,26.22 79.05,14.78 72.67,14.78 70.78,16.67 70.78,20.51 U1.2 ; 221.54,53.98 221.54,55.04 ; 221.54,53.98 221.54,60.41 223.84,62.71 234.95,62.71 236.54,64.29 D24.1
  Bottom w0.381: v1(18.3,68.94) 13.8,68.94 D13.1
  Bottom w0.5: v1(22.06,68.94) 33.34,68.94 33.34,68.94 35.42,68.94 D14.1 37.61,68.94 54.47,68.94 D15.1 56.66,68.94 73.52,68.94 D16.1 75.71,68.94 92.57,68.94 D17.1 94.76,68.94 111.62,68.94 D18.1 113.81,68.94 130.67,68.94 D19.1 132.86,68.94 149.72,68.94 D20.1 151.91,68.94 168.77,68.94 D21.1 170.96,68.94 187.82,68.94 D22.1 190.01,68.94 209.25,68.94 D23.1 211.44,68.94 235.44,68.94 D24.1
row2: length 5.9
  Bottom w0.5: SW2.S1 235.9,102.21 MX12.2 235.9,97.29 D12.2
ROW2: length 419.3
  Top w0.5: v1(22.06,49.9) 22.05,49.9 v1(18.3,49.9) ; v1(222.61,49.89) v1(216.86,49.89)
  Bottom w0.25: v1(222.61,49.89) 222.44,49.72 222.44,29.65 218.1,25.32 90.86,25.32 79.42,13.88 72.29,13.88 69.88,16.3 69.88,20 U1.4
  Bottom w0.5: D36.1 235.44,49.89 222.62,49.89 v1(222.61,49.89) ; D25.1 13.79,49.89 13.8,49.9 v1(18.3,49.9) ; v1(22.06,49.9) 22.07,49.89 37.8,49.89 D26.1 39.99,49.89 59.23,49.89 D27.1 61.42,49.89 78.28,49.89 D28.1 80.47,49.89 97.33,49.89 D29.1 99.52,49.89 116.38,49.89 D30.1 118.57,49.89 135.43,49.89 D31.1 137.62,49.89 154.48,49.89 D32.1 156.67,49.89 173.53,49.89 D33.1 175.72,49.89 192.58,49.89 D34.1 194.77,49.89 211.63,49.89 D35.1 213.82,49.89 v1(216.86,49.89)
ROW3: length 307.6
  Top w0.5: v1(215.6,30.89) 215.65,30.84 v1(223.06,30.84) ; v1(57.44,30.84) 60.32,30.84 v1(60.33,30.84) ; v1(18.3,30.85) 18.3,30.86 v1(19.8,30.86)
  Bottom w0.25: U1.21 60.4,20.1 26.73,20.1 23.02,23.81 19.59,23.81 15.88,20.1 7.68,20.1 6.4,21.39 6.4,30.21 7.14,30.96 11.72,30.96 D37.1
  Bottom w0.5: v1(60.33,30.84) 68.76,30.84 D39.1 70.94,30.84 87.81,30.84 D40.1 89.99,30.84 106.86,30.84 D41.1 109.04,30.84 125.91,30.84 D42.1 128.09,30.84 144.96,30.84 D43.1 147.14,30.84 164.01,30.84 D44.1 166.19,30.84 183.06,30.84 D45.1 185.24,30.84 206.87,30.84 D46.1 209.06,30.84 215.55,30.84 v1(215.6,30.89) ; v1(19.8,30.86) 19.81,30.84 42.56,30.84 D38.1 44.75,30.84 v1(57.44,30.84) ; D37.1 13.79,30.84 18.29,30.84 v1(18.3,30.85) ; D47.1 235.44,30.84 v1(223.06,30.84)
row3: length 5.9
  Bottom w0.5: SW4.S1 12.02,14.65 MX48.2 12.06,11.56 D48.2
ROW4: length 435.7
  Bottom w0.25: U1.14 63.04,17.79 63.04,12.52 64.38,11.18 80.54,11.18 91.98,22.62 217.51,22.62 221.88,18.26 238.92,18.26 241.3,15.88 241.3,8.73 239.71,7.14 237.52,7.14 D55.1
  Bottom w0.5: D55.1 235.44,7.03 218.58,7.03 D54.1 216.39,7.03 199.53,7.03 D53.1 197.34,7.03 156.67,7.03 D52.1 154.48,7.03 99.52,7.03 D51.1 97.33,7.03 56.66,7.03 D50.1 54.47,7.03 35.23,7.03 D49.1 33.04,7.03 13.79,7.03 D48.1
row4: length 5.9
  Bottom w0.5: D55.2 235.9,11.56 MX55.2 235.86,14.65 SW3.S1
Net-(D2-A): length 3.9
  Bottom w0.5: D2.2 31.12,97.29 MX2.2
Net-(D3-A): length 3.9
  Bottom w0.5: D3.2 50.17,97.29 MX3.2
Net-(D4-A): length 3.9
  Bottom w0.5: MX4.2 69.22,97.29 D4.2
Net-(D5-A): length 3.9
  Bottom w0.5: D5.2 88.27,97.29 MX5.2
Net-(D6-A): length 3.9
  Bottom w0.5: D6.2 107.31,97.29 MX6.2
Net-(D7-A): length 3.9
  Bottom w0.5: D7.2 126.37,97.29 126.37,100.33
Net-(D8-A): length 3.9
  Bottom w0.5: MX8.2 145.41,97.29 D8.2
Net-(D9-A): length 3.9
  Bottom w0.5: D9.2 164.47,97.29 MX9.2
Net-(D10-A): length 3.9
  Bottom w0.5: D10.2 178.44,93.22 MX10.2
Net-(D11-A): length 3.9
  Bottom w0.5: MX11.2 209.71,97.29 D11.2
Net-(D13-A): length 3.9
  Bottom w0.5: D13.2 12.06,73.47 MX13.2
Net-(D14-A): length 3.9
  Bottom w0.5: D14.2 35.88,73.47 MX14.2
Net-(D15-A): length 3.9
  Bottom w0.5: D15.2 54.93,73.47 MX15.2
Net-(D16-A): length 3.9
  Bottom w0.5: D16.2 73.98,73.47 MX16.2
Net-(D17-A): length 3.9
  Bottom w0.5: MX17.2 93.03,73.47 D17.2
Net-(D18-A): length 3.9
  Bottom w0.5: D18.2 112.08,73.47 MX18.2
Net-(D19-A): length 3.9
  Bottom w0.5: D19.2 131.13,73.47 MX19.2
Net-(D20-A): length 3.9
  Bottom w0.5: MX20.2 150.18,73.47 D20.2
Net-(D21-A): length 3.9
  Bottom w0.5: D21.2 169.23,73.47 MX21.2
Net-(D22-A): length 3.9
  Bottom w0.5: D22.2 188.28,73.47 MX22.2
Net-(D23-A): length 3.9
  Bottom w0.5: D23.2 209.71,73.47 MX23.2
Net-(D24-A): length 3.9
  Bottom w0.5: D24.2 235.9,73.47 MX24.2
Net-(D25-A): length 3.9
  Bottom w0.5: D25.2 12.06,54.42 MX25.2
Net-(D26-A): length 3.9
  Bottom w0.5: D26.2 38.26,54.42 MX26.2
Net-(D27-A): length 3.9
  Bottom w0.5: MX27.2 59.69,54.42 D27.2
Net-(D28-A): length 3.9
  Bottom w0.5: D28.2 78.74,54.42 MX28.2
Net-(D29-A): length 3.9
  Bottom w0.5: D29.2 97.79,54.42 MX29.2
Net-(D30-A): length 3.9
  Bottom w0.5: D30.2 116.84,54.42 MX30.2
Net-(D31-A): length 3.9
  Bottom w0.5: D31.2 135.89,54.42 MX31.2
Net-(D32-A): length 3.9
  Bottom w0.5: MX32.2 154.94,54.42 D32.2
Net-(D33-A): length 3.9
  Bottom w0.5: MX33.2 173.99,54.42 D33.2
Net-(D34-A): length 3.9
  Bottom w0.5: MX34.2 193.04,54.42 D34.2
Net-(D35-A): length 3.9
  Bottom w0.5: MX35.2 212.09,54.42 D35.2
Net-(D36-A): length 3.9
  Bottom w0.5: MX36.2 235.9,54.42 D36.2
Net-(D37-A): length 3.9
  Bottom w0.5: MX37.2 12.06,35.37 D37.2
Net-(D38-A): length 3.9
  Bottom w0.5: MX38.2 43.02,35.37 D38.2
Net-(D39-A): length 3.9
  Bottom w0.5: MX39.2 69.22,35.37 D39.2
Net-(D40-A): length 3.9
  Bottom w0.5: D40.2 88.27,35.37 MX40.2
Net-(D41-A): length 3.9
  Bottom w0.5: D41.2 107.31,35.37 MX41.2
Net-(D42-A): length 3.9
  Bottom w0.5: D42.2 126.37,35.37 126.37,38.42
Net-(D43-A): length 3.9
  Bottom w0.5: D43.2 145.41,35.37 MX43.2
Net-(D44-A): length 3.9
  Bottom w0.5: D44.2 164.47,35.37 MX44.2
Net-(D45-A): length 3.9
  Bottom w0.5: MX45.2 183.51,35.37 D45.2
Net-(D46-A): length 3.9
  Bottom w0.5: MX46.2 207.33,35.37 D46.2
Net-(D47-A): length 3.9
  Bottom w0.5: D47.2 235.9,35.37 MX47.2
Net-(D49-A): length 3.9
  Bottom w0.5: MX49.2 33.5,11.56 D49.2
Net-(D50-A): length 3.9
  Bottom w0.5: D50.2 54.93,11.56 MX50.2
Net-(D51-A): length 32.5
  Bottom w0.5: D51.2 97.79,11.56 MX51.2 126.37,14.61
Net-(D52-A): length 3.9
  Bottom w0.5: MX52.2 154.94,11.56 D52.2
Net-(D53-A): length 3.9
  Bottom w0.5: MX53.2 197.8,11.56 D53.2
Net-(D54-A): length 3.9
  Bottom w0.5: D54.2 216.85,11.56 MX54.2

## Copper pours and planes (outline as drawn; the poured copper is in the pictures)
GND on Top, Bottom: -10.32,110.33 246.06,110.33 246.06,-7.94 -9.52,-7.94

## Text on the board
B.Silkscreen: Calvin0563 | concept by Koniotaur | KLE by community | pcb by
F.Silkscreen: QAZ
